# Altium PCB MEMS_10cm_ZWJ_old.PcbDoc
Units mm, origin at the board's own origin, x right, y up, seen from the top; angles counter-clockwise.
Board outline 59.51 x 7.73 mm, 2 copper layers (Top Layer, Bottom Layer); 1 components, 7 nets, 28 pads, 29 vias.
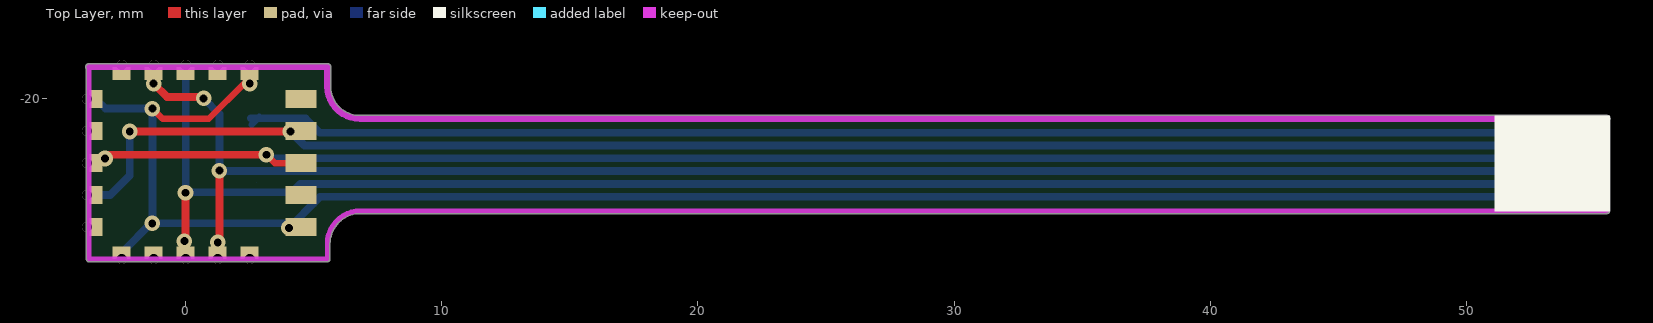
[diagram p0: Top Layer view]
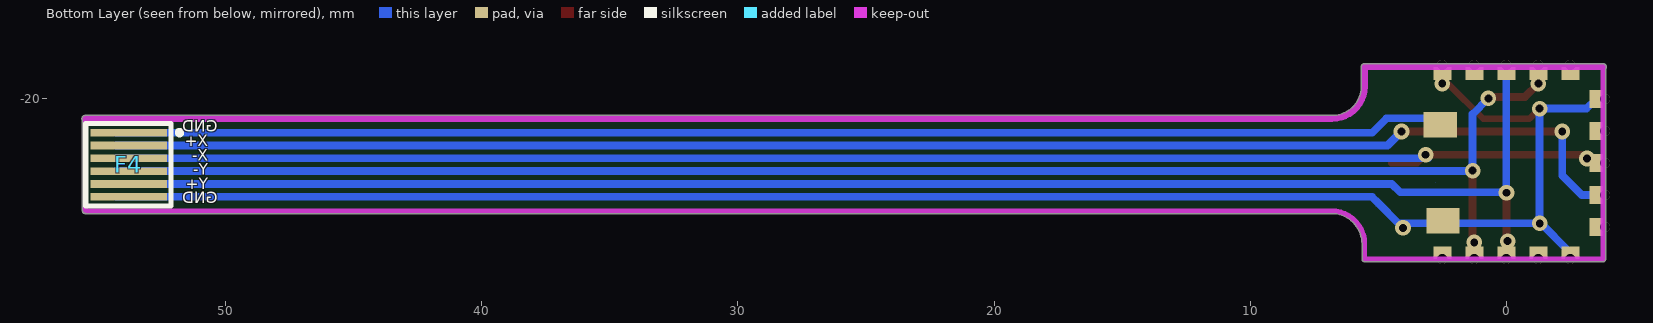
[diagram p1: Bottom Layer view, seen from below]

## Layer stack, top to bottom
Top Solder: solder mask 0.0102, Solder Resist, Dk 3.5
Top Layer: signal copper 0.0356
Dielectric 1: dielectric 0.32, FR-4, Dk 4.8
Bottom Layer: signal copper 0.0356
Bottom Solder: solder mask 0.0102, Solder Resist, Dk 3.5

## Board outline
-3.775,-26.352 5.532,-26.352 ccw(c5.532,-26.25) 5.634,-26.25 5.634,-25.654 ccw(c5.532,-25.654) 5.634,-25.654 cw(c6.825,-25.662) 6.832,-24.471 ccw(c6.833,-24.369) 6.84,-24.47 ccw(c6.848,-24.369) 6.848,-24.471 55.457,-24.471 ccw(c55.457,-24.369) 55.472,-24.47 ccw(c55.488,-24.369) 55.59,-24.369 55.59,-20.838 ccw(c55.483,-20.769) 55.61,-20.769 ccw(c55.483,-20.769) 55.483,-20.641 6.824,-20.641 ccw(c6.824,-20.769) 6.813,-20.642 ccw(c6.807,-20.769) 6.807,-20.642 cw(c6.8,-19.5) 5.66,-19.537 ccw(c5.537,-19.502) 5.665,-19.502 5.665,-18.75 ccw(c5.537,-18.75) 5.537,-18.623 -3.775,-18.623 ccw(c-3.775,-18.75) -3.877,-18.826 -3.877,-26.25 ccw(c-3.775,-26.25)

## Design rules (kind name [scope] priority, off if disabled: settings)
Clearance [All] p1: gap=0.152
PolygonConnect [All] p1: connectstyle=Relief reliefconductorwidth=0.254 reliefentries=4 polygonreliefangle="90 Angle" airgapwidth=0.254
RoutingVias [All] p1: holewidth=0.711 width=1.27 viastyle="Through Hole" minholewidth=0.711 minwidth=1.27 maxholewidth=0.711 maxwidth=1.27
SolderMaskExpansion [All] p1: expansion=0.102
Width [All] p1: maxlimit=0.4 minlimit=0.203 preferedwidth=0.305 minimp=50.000000 maximp=50.000000 favimp=50.000000
30 further rules are at their usual default settings.

## Components (designator, comment, footprint, x,y, rotation, side; value= is the part's Value field where it differs from the comment)
F4 "8P-1.0" FFC6P_0.5mm 53.781,-22.581 r90 bottom (schematic designator F3)

## Footprints (in the part's own frame and the unit in brackets; to place one, negate y for a bottom-side part, rotate by r counter-clockwise, add the part's x,y. Pads: shape width x height; smd on the part's side, far side on the other; paste and mask are expansions set on the pad)
FFC6P_0.5mm [mm] "间距1.0_12PFFC接头"
  rect 0.3x3 smd: 1(1.265,0) 2(0.765,0) 3(0.265,0) 4(-0.235,0) 5(-0.735,0) 6(-1.235,0)
  silkscreen extent -1.6,-2.04 1.63,1.68

## Part data
F4: library part "FFC 6P_1.0", "6P_间距1.0mm"

## Free pads (board coordinates)
  rect 1.3x1 smd far side: 16(2.475,-24.75) 17(2.575,-21)
  rect 1.2x0.7 smd: 18(4.5,-25) 18(4.5,-23.75) 18(4.5,-22.5) 18(4.5,-21.25) 18(4.5,-20)
  rect 0.5x0.7 all layers, no hole: 19(-3.5,-25) 19(-3.5,-23.75) 19(-3.5,-22.5) 19(-3.5,-21.25) 19(-3.5,-20)
  rect 0.7x0.5 all layers, no hole: 19(-2.5,-26) 19(-2.5,-19) 19(-1.25,-26) 19(-1.25,-19) 19(0,-26) 19(0,-19) 19(1.25,-26) 19(1.25,-19) 19(2.5,-26) 19(2.5,-19)

## Via types
v1: diameter 0.4, hole 0.4, Top Layer to Bottom Layer, 15 vias
v2: diameter 0.61, hole 0.305, Top Layer to Bottom Layer, 14 vias

## Nets (pads, with @x,y where several pads share a name; then routed paths per layer and width w, separated by ;. In a path a pad name is that pad's centre, name@x,y a point inside that pad or via, vN(x,y) a via of type N, cw(c..) or ccw(c..) an arc to the next point about the centre after c; other vN are vias at no path point)
GND: 
LEN_内: 
LEN_外: 
X+: 
X-: 
Y+: 
Y-: 
pads on no net: F4.1 F4.2 F4.3 F4.4 F4.5 F4.6
copper on no net: | length 363.1
  Top Layer w0.254: v2(-1.301,-20.375) -0.901,-20.775 0.9,-20.775 2.275,-19.4 v2(2.5,-19.4) ; v2(3.15,-22.175) 3.475,-22.5 4.5,-22.5
  Top Layer w0.305: v2@-3.15,-22.175 v2(3.15,-22.175) ; v2(-2.181,-21.269) v2(4.095,-21.269) ; v2(-1.25,-19.4) -0.725,-19.925 v2@0.7,-19.925 ; v2@-0.005,-25.55 v2(-0.005,-23.661) ; v2(1.316,-22.797) 1.316,-25.595 v2@1.321,-25.6
  Bottom Layer w0.254: 2.575,-21 2.869,-20.701 ; v2@4.095,-21.394 v2(4.095,-21.269) 4.63,-21.804
  Bottom Layer w0.305: -3.5,-23.75 -2.945,-23.75 -2.181,-22.985 v2(-2.181,-21.269) ; -3.275,-20.225 -3.125,-20.375 v2(-1.301,-20.375) -1.301,-24.85 4.216,-24.85 4.987,-24.079 5.25,-23.816 5.969,-23.816 25,-23.816 28,-23.816 50.596,-23.816 54.289,-23.816 ; -2.5,-26 v2@-1.301,-24.8 ; v2(-0.005,-23.661) 0,-23.656 0,-19 ; v2@-0.005,-23.644 4.144,-23.644 4.472,-23.316 5.969,-23.316 25,-23.316 28,-23.316 50.935,-23.316 54.289,-23.316 ; v2(0.7,-19.975) 1.316,-20.591 v2(1.316,-22.797) ; v2@1.316,-22.816 5.969,-22.816 25,-22.816 28,-22.816 51.393,-22.816 54.289,-22.816 ; 2.55,-20.75 4.675,-20.75 5.241,-21.316 5.969,-21.316 25,-21.316 28,-21.316 50.149,-21.316 54.289,-21.316 ; v2@3.059,-22.316 3.184,-22.316 5.969,-22.316 25,-22.316 28,-22.316 50.733,-22.316 54.289,-22.316 ; v2(4.095,-21.269) 4.642,-21.816 5.969,-21.816 25,-21.816 28,-21.816 50.326,-21.816 54.289,-21.816
  other v1: -2.5,-26.25 -1.25,-26.25 0,-26.25 1.25,-26.25 2.5,-26.25 -3.85,-25 -3.85,-23.75 -3.85,-22.5 -3.85,-21.25 -3.85,-20 -2.5,-18.675 -1.25,-18.675 0,-18.675 1.25,-18.675 2.5,-18.675
  other v2: 1.25,-25.6 -0.05,-25.55 4.033,-25.033 -1.306,-24.855 -3.15,-22.325

## Keep-outs
Keep-Out Layer:
  lines w0.203: -3.775,-18.75 -3.775,-26.25 5.532,-26.25 5.532,-25.654 cw(c6.825,-25.662) 6.833,-24.369 ; 6.848,-24.369 25,-24.369 28,-24.369 55.457,-24.369 ; 55.488,-24.369 55.488,-20.769
  lines w0.254: -3.775,-18.75 5.537,-18.75 5.537,-19.502 ; 5.532,-19.507 ccw(c6.8,-19.5) 6.807,-20.769 ; 6.824,-20.769 25,-20.769 28,-20.769 55.483,-20.769

## Silkscreen, mask and mechanical layers (free items; w line width, h text height)
Top Overlay:
  rectangle: 51.088,-24.384 55.61,-20.65
  text "黄色部分为 正面补强， / 补强厚度： 补强0.25mm，补强连同PCB一共0.3mm 配合0.3mmFPC插座使用" at 37.427,-18.898 h2.54
Bottom Overlay:
  text "GND" at 50.301,-21.438 h0.76
  text "X+" at 50.678,-22.003 h0.76
  text "X-" at 50.681,-22.562 h0.76
  text "Y-" at 50.677,-23.12 h0.76
  text "Y+" at 50.675,-23.679 h0.76
  text "GND" at 50.301,-24.232 h0.76